# Altium PCB BLDC_DRIVER_1.1_one_side.PcbDoc (part 1 of 3) (continued)
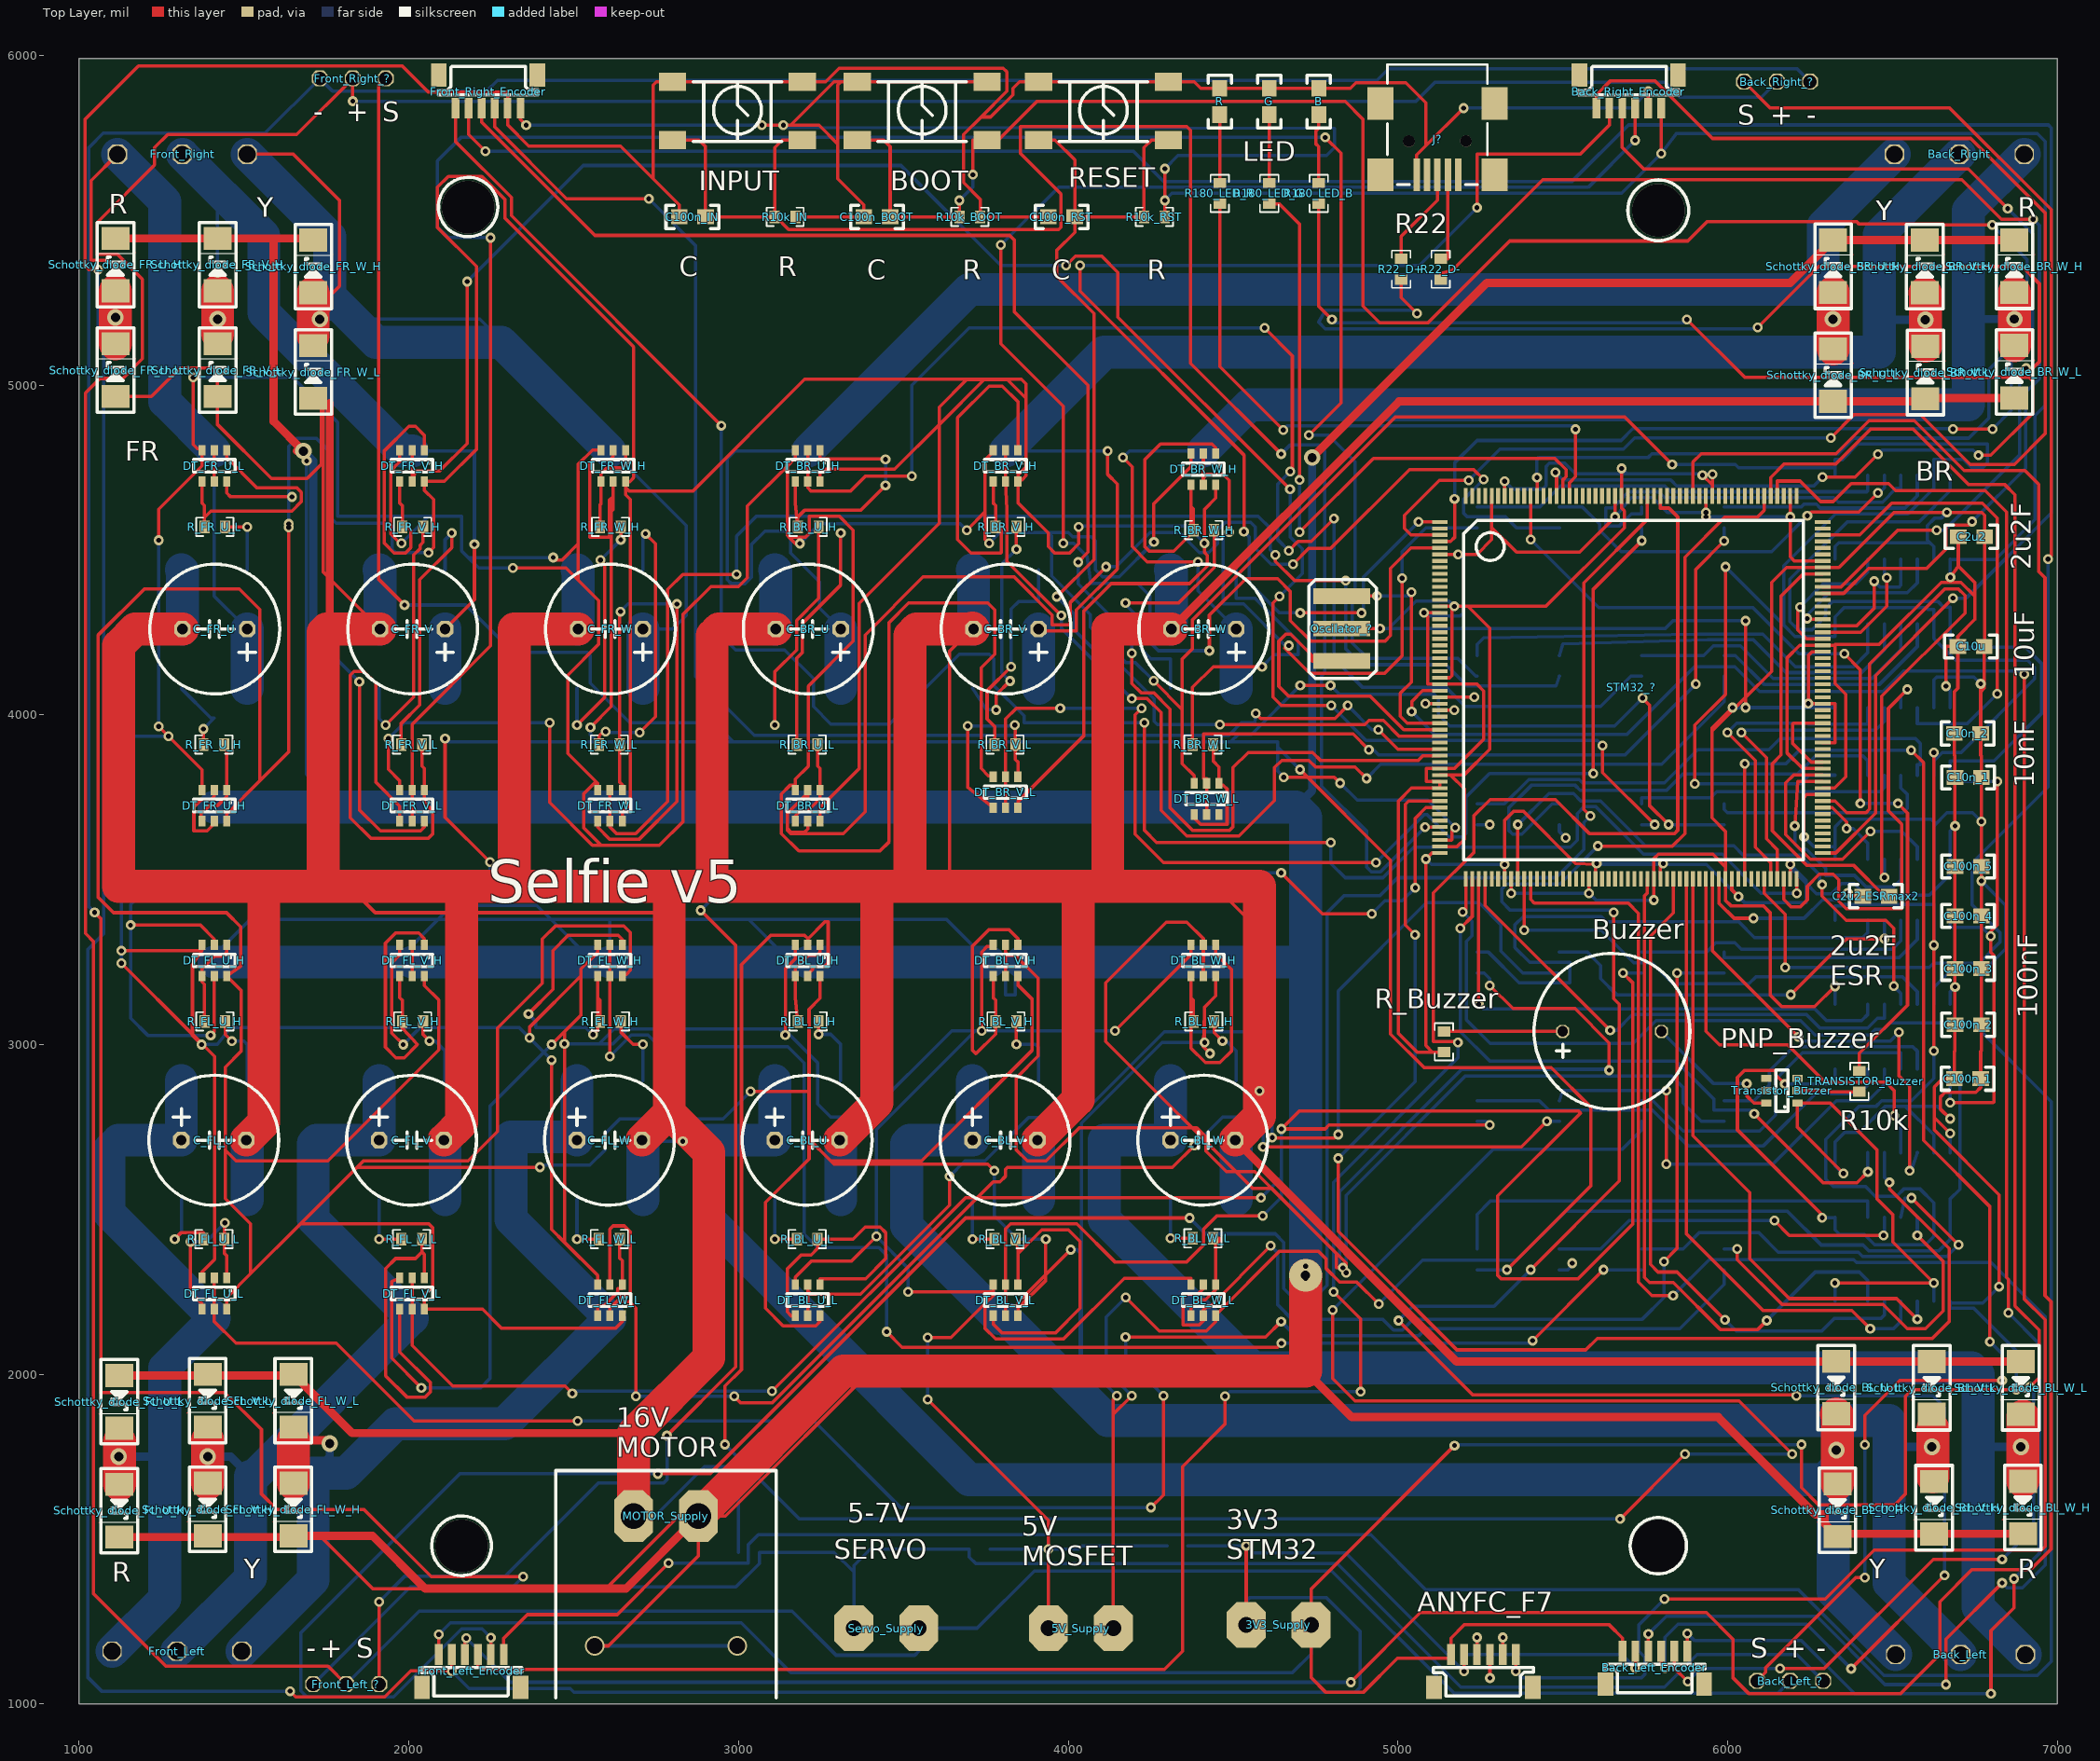
[diagram p0: Top Layer view]
## Footprints (in the part's own frame and the unit in brackets; to place one, negate y for a bottom-side part, rotate by r counter-clockwise, add the part's x,y. Pads: shape width x height; smd on the part's side, far side on the other; paste and mask are expansions set on the pad)
2-pin-zielony-prosty [mm]
  oct 3x3.5 hole 1.2: 1(0,0) 2(5,0)
  body extent -3.5,-4.7 8.5,3.8, height 12
5mm [mil]
  oct 50x50 hole 32: 1(0,0) 2(196.85,0)
  silkscreen extent -98,-197 295,197, body extent -98,-197 295,197, height 787
0603 [mil]
  rect 50x45 smd: 1(0,0) 2(80,0)
  silkscreen extent -40,-35 120,35, body extent 9,-17 72,17, height 33
65100516121 [mm] "Mini USB 2.0 Type B SMT Horizontal 5 Contacts"
  rect 0.5x2.5 smd: 1(-1.6,3.875) 2(-0.8,3.875) 3(0,3.875) 4(0.8,3.875) 5(1.6,3.875)
  round 0.9 hole 0.9 unplated: MH1(-2.2,1.275) MH2(2.2,1.275)
  rect 2x2.5 smd: Shell(-4.4,3.875) Shell(-4.4,-1.625) Shell(4.4,3.875) Shell(4.4,-1.625)
  silkscreen extent -3.85,-4.62 3.85,4.62, body extent -4.8,-4.62 4.8,4.63, height 3.92
Buzzer_LOUDITY [mm]
  oct 1x1 hole 0.8: 1(-7.6,0) 2(0,0)
  silkscreen extent -9.8,-6 2.2,6, body extent -9.8,-6 5.65,6, height 9.65
CSTCC8M00G53-R0 [mm]
  rect 1.2x4.4 smd: 1(0,0) 2(2.5,0) 3(5,0)
  silkscreen extent -1.27,-2.54 6.35,2.67, body extent -1.06,-1.52 6.14,1.48, height 1.25
DG300-5.0-03P-12-00A [mm]
  oct 1.5x1.5 hole 1.3: 1(0,0) 2(5,0) 3(10,0)
  body extent -2.5,-4 12.5,5, height 12.6
DG300R-5.0-03P-12-00A(H) [mm]
  oct 1.5x1.5 hole 1.3: 1(0,0) 2(5,0) 3(10,0)
  body extent -2.5,-7.3 13.1,2.7, height 7.6
DO-214AC [mm]
  rect 1.78x2.16 smd: 1(-4.05,0) 2(0,0)
  Top Layer lines w0.051: -1.092,-1.575 -1.143,-1.524
  silkscreen extent -5.28,-1.52 1.22,1.4, body extent -4.55,-1.43 0.45,1.27, height 2.33
"JST SR SH 1.0 TOP" [mm]
  rect 0.6x1.6 smd: 1(1.3,2.55) 2(2.3,2.55) 3(3.3,2.55) 4(4.3,2.55) 5(5.3,2.55) 6(6.3,2.55)
  rect 1.2x1.8 smd: 7(7.6,0) 8(0,0)
  silkscreen extent -0.05,-0.66 7.67,1.52, body extent -0.19,-0.74 7.81,2.86, height 4.25
LQFP208 [mm]
  rect 1.2x0.3 smd: 1(-1.85,-1.4) 2(-1.85,-1.9) 3(-1.85,-2.4) 4(-1.85,-2.9) 5(-1.85,-3.4) 6(-1.85,-3.9) 7(-1.85,-4.4) 8(-1.85,-4.9) 9(-1.85,-5.4) 10(-1.85,-5.9) 11(-1.85,-6.4) 12(-1.85,-6.9) 13(-1.85,-7.4) 14(-1.85,-7.9) 15(-1.85,-8.4) 16(-1.85,-8.9) 17(-1.85,-9.4) 18(-1.85,-9.9) 19(-1.85,-10.4) 20(-1.85,-10.9) 21(-1.85,-11.4) 22(-1.85,-11.9) 23(-1.85,-12.4) 24(-1.85,-12.9) 25(-1.85,-13.4) 26(-1.85,-13.9) 27(-1.85,-14.4) 28(-1.85,-14.9) 29(-1.85,-15.4) 30(-1.85,-15.9) 31(-1.85,-16.4) 32(-1.85,-16.9) 33(-1.85,-17.4) 34(-1.85,-17.9) 35(-1.85,-18.4) 36(-1.85,-18.9) 37(-1.85,-19.4) 38(-1.85,-19.9) 39(-1.85,-20.4) 40(-1.85,-20.9) 41(-1.85,-21.4) 42(-1.85,-21.9) 43(-1.85,-22.4) 44(-1.85,-22.9) 45(-1.85,-23.4) 46(-1.85,-23.9) 47(-1.85,-24.4) 48(-1.85,-24.9) 49(-1.85,-25.4) 50(-1.85,-25.9) 51(-1.85,-26.4) 52(-1.85,-26.9) 105(27.65,-26.9) 106(27.65,-26.4) 107(27.65,-25.9) 108(27.65,-25.4) 109(27.65,-24.9) 110(27.65,-24.4) 111(27.65,-23.9) 112(27.65,-23.4) 113(27.65,-22.9) 114(27.65,-22.4) 115(27.65,-21.9) 116(27.65,-21.4) 117(27.65,-20.9) 118(27.65,-20.4) 119(27.65,-19.9) 120(27.65,-19.4) 121(27.65,-18.9) 122(27.65,-18.4) 123(27.65,-17.9) 124(27.65,-17.4) 125(27.65,-16.9) 126(27.65,-16.4) 127(27.65,-15.9) 128(27.65,-15.4) 129(27.65,-14.9) 130(27.65,-14.4) 131(27.65,-13.9) 132(27.65,-13.4) 133(27.65,-12.9) 134(27.65,-12.4) 135(27.65,-11.9) 136(27.65,-11.4) 137(27.65,-10.9) 138(27.65,-10.4) 139(27.65,-9.9) 140(27.65,-9.4) 141(27.65,-8.9) 142(27.65,-8.4) 143(27.65,-7.9) 144(27.65,-7.4) 145(27.65,-6.9) 146(27.65,-6.4) 147(27.65,-5.9) 148(27.65,-5.4) 149(27.65,-4.9) 150(27.65,-4.4) 151(27.65,-3.9) 152(27.65,-3.4) 153(27.65,-2.9) 154(27.65,-2.4) 155(27.65,-1.9) 156(27.65,-1.4)
  rect 0.3x1.2 smd: 53(0.15,-28.9) 54(0.65,-28.9) 55(1.15,-28.9) 56(1.65,-28.9) 57(2.15,-28.9) 58(2.65,-28.9) 59(3.15,-28.9) 60(3.65,-28.9) 61(4.15,-28.9) 62(4.65,-28.9) 63(5.15,-28.9) 64(5.65,-28.9) 65(6.15,-28.9) 66(6.65,-28.9) 67(7.15,-28.9) 68(7.65,-28.9) 69(8.15,-28.9) 70(8.65,-28.9) 71(9.15,-28.9) 72(9.65,-28.9) 73(10.15,-28.9) 74(10.65,-28.9) 75(11.15,-28.9) 76(11.65,-28.9) 77(12.15,-28.9) 78(12.65,-28.9) 79(13.15,-28.9) 80(13.65,-28.9) 81(14.15,-28.9) 82(14.65,-28.9) 83(15.15,-28.9) 84(15.65,-28.9) 85(16.15,-28.9) 86(16.65,-28.9) 87(17.15,-28.9) 88(17.65,-28.9) 89(18.15,-28.9) 90(18.65,-28.9) 91(19.15,-28.9) 92(19.65,-28.9) 93(20.15,-28.9) 94(20.65,-28.9) 95(21.15,-28.9) 96(21.65,-28.9) 97(22.15,-28.9) 98(22.65,-28.9) 99(23.15,-28.9) 100(23.65,-28.9) 101(24.15,-28.9) 102(24.65,-28.9) 103(25.15,-28.9) 104(25.65,-28.9) 157(25.65,0.6) 158(25.15,0.6) 159(24.65,0.6) 160(24.15,0.6) 161(23.65,0.6) 162(23.15,0.6) 163(22.65,0.6) 164(22.15,0.6) 165(21.65,0.6) 166(21.15,0.6) 167(20.65,0.6) 168(20.15,0.6) 169(19.65,0.6) 170(19.15,0.6) 171(18.65,0.6) 172(18.15,0.6) 173(17.65,0.6) 174(17.15,0.6) 175(16.65,0.6) 176(16.15,0.6) 177(15.65,0.6) 178(15.15,0.6) 179(14.65,0.6) 180(14.15,0.6) 181(13.65,0.6) 182(13.15,0.6) 183(12.65,0.6) 184(12.15,0.6) 185(11.65,0.6) 186(11.15,0.6) 187(10.65,0.6) 188(10.15,0.6) 189(9.65,0.6) 190(9.15,0.6) 191(8.65,0.6) 192(8.15,0.6) 193(7.65,0.6) 194(7.15,0.6) 195(6.65,0.6) 196(6.15,0.6) 197(5.65,0.6) 198(5.15,0.6) 199(4.65,0.6) 200(4.15,0.6) 201(3.65,0.6) 202(3.15,0.6) 203(2.65,0.6) 204(2.15,0.6) 205(1.65,0.6) 206(1.15,0.6) 207(0.65,0.6) 208(0.15,0.6)
  silkscreen extent 0,-27.43 26.16,-1.27, body extent -1.84,-28.92 27.66,0.58, height 1.39
"LSH Gullwing" [mm]
  rect 2.1x1.4 smd: 1(-10,4.5) 2(0,4.5) 3(-10,0) 4(0,0)
  silkscreen extent -8.4,0 -1.6,4.6, body extent -10,-0.75 0,5.25, height 4.97
R0603 [mil]
  rect 31x38 smd: 1(0,0) 2(63,0)
  silkscreen extent -25,-28 88,28, body extent -1,-17 62,17, height 19
Raster_2.54_3pin [mm]
  oct 1.22x1.22 hole 1.05: 1(0,0) 2(2.54,0) 3(5.08,0)
  body extent -1.27,-1.27 6.35,1.27, height 8.57
SOIC-16 [mm]
  rect 0.72x1.78 smd: 1(0.11,-0.46) 2(1.38,-0.46) 3(2.65,-0.46) 4(3.92,-0.46) 5(5.19,-0.46) 6(6.46,-0.46) 7(7.73,-0.46) 8(9,-0.46) 9(9,6) 10(7.73,6) 11(6.46,6) 12(5.19,6) 13(3.92,6) 14(2.65,6) 15(1.38,6) 16(0.11,6)
  silkscreen extent -0.53,0.79 9.63,4.73, body extent -0.5,-0.3 9.7,5.7, height 1.7
SOT457 [mm]
  rect 0.55x0.8 smd: 1(-0.95,-2.85) 2(0,-2.85) 3(0.95,-2.85) 4(0.95,-0.45) 5(0,-0.45) 6(-0.95,-0.45)
  silkscreen extent -1.6,-2.13 1.6,-1.18, body extent -1.45,-3.05 1.45,-0.25, height 1.23
TO-263 [mm]
  rect 10.8x9.4 smd: D(-2.54,9.15)
  rect 1.35x4.6 smd: G(-5.08,0) S(0,0)
  silkscreen extent -8.89,-3.05 3.81,14.48, body extent -7.54,-1.94 2.46,13.73, height 4.83
XT30-katowy-in [mm]
  oct 3x4 hole 2: 1(2.5,0) 2(-2.5,0)
  silkscreen extent -8.5,-3.5 8.5,14, body extent -6.65,-0.91 6.65,14.1, height 5.2

## Part data
J?: "Mini USB 2.0 Type B Receptacle WR-COM, Horizontal, SMT, with Pads and Pegs"

## Via types
v1: diameter 30, hole 15, Top Layer to Bottom Layer, 425 vias
v2: diameter 50, hole 28, Top Layer to Bottom Layer, 14 vias
v3: diameter 160, hole 160, Top Layer to Bottom Layer, 4 vias
v4: diameter 59.06, hole 47.24, Top Layer to Bottom Layer, 2 vias
v5: diameter 100, hole 28, Top Layer to Bottom Layer, 1 vias

## Nets (pads, with @x,y where several pads share a name; then routed paths per layer and width w, separated by ;. In a path a pad name is that pad's centre, name@x,y a point inside that pad or via, vN(x,y) a via of type N, cw(c..) or ccw(c..) an arc to the next point about the centre after c; other vN are vias at no path point)
3V3: 3V3_Supply.2 ANYFC_F7.1 Back_Left_Encoder.1 Back_Right_Encoder.1 BOOT.3 BOOT.4 C2u2.2 C10n_1.2 C10n_2.2 C10u.2 C100n_1.2 C100n_2.2 C100n_3.2 C100n_4.2 C100n_5.2 C100n_BOOT.2 Front_Left_Encoder.1 Front_Right_Encoder.1 R10k_IN.2 R10k_RST.2 R_Buzzer.2 STM32_?.6 STM32_?.15 STM32_?.26 STM32_?.39 STM32_?.41 STM32_?.42 STM32_?.52 STM32_?.59 STM32_?.73 STM32_?.83 STM32_?.94 STM32_?.103 STM32_?.115 STM32_?.118 STM32_?.137 STM32_?.150 STM32_?.158 STM32_?.171 STM32_?.185 STM32_?.204 TO1.1 TO2.1 TO3.1 TO4.1 TO5.1 TO6.1 | length 28768.4
  Top Layer w10: Front_Left_Encoder.1@2091.18,1150.39 v1(2091.18,1210.55) ; Front_Right_Encoder.1@2338.82,5839.61 2338.82,5805.12 v1(2355.94,5788) ; v1(3071,5788) v1(3136,5788) 3158,5788 ; R10k_IN.2@3173,5510 C100n_BOOT.2@3380,5510 3380,5547 3301,5626 3301,5731 ; BOOT.3@3753.7,5920 BOOT.4@3360,5920 3311,5920 ; R10k_RST.2@4293,5510 v1(4293,5560) v1(4293,5656) ; STM32_?.52@5127.17,3580.94 5103.17,3580.94 v1(5084.75,3562.52) 5084.75,2997.25 5105,2977 ; STM32_?.15@5127.17,4309.29 v1(5079.13,4309.29) 5090,4298.43 5090,4092.76 STM32_?.26@5127.17,4092.76 5240,4092.76 5260.37,4072.39 5260.37,3926 5171.22,3836.85 STM32_?.39@5127.17,3836.85 5087.01,3836.85 5087.01,3797.48 STM32_?.41@5127.17,3797.48 STM32_?.42@5127.17,3777.8 5041.43,3777.8 5001,3737.37 5001,3035 5059,2977 5105,2977 ; STM32_?.6@5127.17,4486.46 v1(5183,4486.46) 5240,4486.46 5284.65,4531.1 5284.65,4568.35 ; R_Buzzer.2@5140,2977 5105,2977 ; v1(5172,1784) 4736.85,1348.85 3V3_Supply.2@4736.85,1240 4736.85,1080 4781.85,1035 4895,1035 4999,1139 5161.18,1139 ANYFC_F7.1@5161.18,1150.39 5161.18,1200 5201.18,1240 5641.18,1240 5681.18,1200 Back_Left_Encoder.1@5681.18,1160.39 ; STM32_?.204@5284.65,4663.62 5284.65,4568.35 ; STM32_?.59@5324.02,3502.2 v1(5324.02,3545.83) 5324.02,3680 5352.02,3708 5380,3708 5539,3549 v1@5599.61,3545.61 ; STM32_?.73@5599.61,3502.2 v1@5599.61,3545.61 ; v1(5603,3549) v1@5599.61,3545.61 ; v1@5606,3546 5603.2,3545.83 v1@5599.61,3545.61 ; STM32_?.185@5658.66,4663.62 v1(5658.66,4600) 5551.66,4493 5360,4493 5284.65,4568.35 ; STM32_?.83@5796.46,3502.2 5796.46,3540.46 v1(5805,3549) ; v1(5798.82,5702) Back_Right_Encoder.1@5798.82,5839.61 ; v1(5934.25,4600.16) v1(5934.25,4613.5) STM32_?.171@5934.25,4663.62 ; STM32_?.94@6012.99,3502.2 6012.99,3469.04 v1(6032.99,3449.04) ; v1(6190,3546) 6190.16,3545.84 STM32_?.103@6190.16,3502.2 ; STM32_?.158@6190.16,4663.62 v1(6190.16,4600.16) 6190.16,4478.93 6202.31,4466.77 STM32_?.150@6288.58,4466.77 ; v1(6224,1786.93) 6224,1656 6276,1604 6507,1604 6540,1637 6540,1933 6560,1953 v1(6876,1953) ; STM32_?.115@6288.58,3777.8 6325,3777.8 6359,3811.8 6359,4062 6326,4095 6326,4213 ; STM32_?.118@6288.58,3836.85 6228.15,3836.85 6180,3885 6180,4171.87 6219,4210.87 STM32_?.137@6288.58,4210.87 6323.87,4210.87 6326,4213 ; v1(6663,4087) 6663,4207.22 C10u.2@6698.58,4207.22 ; v1(6675.67,2730.27) 6626.85,2779.09 ; v1(6676,4417) 6700,4450.8 ; C2u2.2@6700,4540 6700,4450.8 ; v1(6824,2266) 6824,2543.94 6626.85,2741.08 6626.85,2779.09 ; 3158,5788 3244,5788 3301,5731 ; 3158,5788 3290,5920 3311,5920 ; 3301,5731 3301,5910 3311,5920 ; 6326,4213 6459,4213 6648,4402 6708,4402 6750,4360 6750,4289.38 ; 6626.85,2779.09 6626.85,2871.2 6652,2896.35 C100n_1.2@6687.95,2896.35 6687.95,2979 6690,2981.05 C100n_2.2@6690,3060 v1(6690,3175) C100n_3.2@6690,3230 C100n_4.2@6690,3390 C100n_5.2@6690,3540 v1(6690,3662.75) C10n_1.2@6690,3810 6690,3875 6687.95,3877.05 C10n_2.2@6687.95,3943.51 6687.95,4070 6698.58,4080.63 C10u.2@6698.58,4207.22 ; C10u.2@6698.58,4207.22 6698.58,4237.96 6750,4289.38 ; 6700,4450.8 6750.8,4400 6750.8,4290.19 6750,4289.38
  Bottom Layer w10: v1(2091.18,1210.55) 2126.63,1246 3008,1246 3159,1095 4680,1095 4736.85,1151.85 3V3_Supply.2@4736.85,1240 ; v1(2355.94,5788) v1(3071,5788) ; v1(3136,5788) 3143,5781 4808,5779 4808,5720 4784,5696 4333,5696 v1(4293,5656) ; v1(4293,5560) 4314.75,5581.75 5678.57,5581.75 v1(5798.82,5702) 5844.82,5763 6940,5763 6964,5739 6964,4939 6933,4908 6933,4592 6812,4471 TO6.1@6675.67,4471 ; v1(5079.13,4309.29) 5088.43,4300 5189,4300 5199,4310 5199,4470.46 v1(5183,4486.46) ; v1(5084.75,3562.52) 5101.45,3545.83 v1(5324.02,3545.83) ; v1(5172,1784) 5174.93,1786.93 v1(6224,1786.93) ; v1(5603,3549) v1(5805,3549) ; v1@5606,3546 5936.03,3546 v1(6032.99,3449.04) 6051.03,3431 6238,3431 6238,3489 ; v1(5658.66,4600) 5708,4658.5 5773,4658.5 5818,4613.5 v1(5934.25,4613.5) ; v1(5934.25,4600.16) v1(6190.16,4600.16) ; v1(6663,4087) 6675.67,4074.33 TO5.1@6675.67,4021.89 ; TO1.1@6675.67,2221.89 TO1.1@6675.67,2216 ; TO2.1@6675.67,2671.89 v1(6675.67,2730.27) ; TO3.1@6675.67,3121.89 6675.67,3160.67 v1(6690,3175) ; TO6.1@6675.67,4471.89 TO6.1@6675.67,4471 ; v1(6676,4417) 6675.67,4417.33 TO6.1@6675.67,4471 ; v1(6690,3662.75) 6675.67,3648.42 TO4.1@6675.67,3561.89 6675.67,3516 6612.21,3452.54 6420,3452.54 6384.54,3488 6346,3488 6315,3457 6270,3457 6238,3489 ; v1(6824,2266) 6774,2216 TO1.1@6675.67,2216 ; v1(6876,1953) 6876,2071 6746,2201 6675.67,2201 TO1.1@6675.67,2216 ; 6238,3489 6238,3498 v1(6190,3546) 6190,3537 6238,3489
GND_3V3: 3V3_Supply.1 ANYFC_F7.2 B.2 Back_Left_Encoder.2 Back_Right_Encoder.2 C2u2.1 C10n_1.1 C10n_2.1 C10u.1 C100n_1.1 C100n_2.1 C100n_3.1 C100n_4.1 C100n_5.1 C100n_IN.2 C100n_RST.2 Front_Left_Encoder.2 Front_Right_Encoder.2 G.2 INPUT.3 INPUT.4 J?.5 Oscilator_?.2 R10k_BOOT.2 R.2 R_GND_5V_3V3.2 RESET.3 RESET.4 STM32_?.14 STM32_?.25 STM32_?.40 STM32_?.51 STM32_?.60 STM32_?.72 STM32_?.82 STM32_?.93 STM32_?.114 STM32_?.122 STM32_?.128 STM32_?.136 STM32_?.149 STM32_?.170 STM32_?.184 STM32_?.202 TO1.2 TO1.8 TO2.2 TO2.8 TO3.2 TO3.8 TO4.2 TO4.8 TO5.2 TO5.8 TO6.2 TO6.8 Transistor_Buzzer.1 | length 33496.6
  Top Layer w10: v1(1058,5350) 1029,5350 1018,5361 1018,5806 1180,5968 1980,5968 2059,5889 2299.45,5889 Front_Right_Encoder.2@2299.45,5839.61 2299.45,5789.51 2363.95,5725 2642,5725 2741,5626 ; v1(1640,1039) 1657,1022 1927,1022 2006,1101 2120,1101 v1@2130.55,1111.55 ; v1(2130.55,1099) v1@2130.55,1111.55 ; Front_Left_Encoder.2@2130.55,1150.39 v1@2130.55,1111.55 ; C100n_IN.2@2820,5510 2820,5547 2741,5626 ; C100n_RST.2@3940,5510 R10k_BOOT.2@3733,5510 3733,5564 3683,5614 3683,5760 3736,5813 ; 3V3_Supply.1@4540,1240 v1(4540,1480) ; Oscilator_?.2@4830,4261.57 v1(4945.57,4261.57) ; J?.5@5057.01,5637.44 5057.01,5697.97 5085.01,5725.97 ; STM32_?.51@5127.17,3600.63 5179.63,3600.63 5202,3623 5202,3775.17 5160,3817.17 ; STM32_?.40@5127.17,3817.17 5160,3817.17 ; STM32_?.25@5127.17,4112.44 5157.56,4112.44 5164,4118.88 v1@5164,4328.98 ; STM32_?.14@5127.17,4328.98 v1@5164,4328.98 ; v1(5199.04,5840) 5085.01,5725.97 ; ANYFC_F7.2@5200.55,1150.39 5200.55,1099.45 v1(5201,1099) ; STM32_?.202@5324.02,4663.62 v1(5324.02,4708) ; v1(5343.7,3459) STM32_?.60@5343.7,3502.2 ; v1(5579.92,3459) STM32_?.72@5579.92,3502.2 ; v1(5678.35,4747) STM32_?.184@5678.35,4663.62 5678.35,4627 5687,4618.35 5687,4567 5448.98,4328.98 5212.02,4328.98 ; v1(5720.55,1108.9) Back_Left_Encoder.2@5720.55,1160.39 ; v1(5759,5891) 5759.45,5890.55 Back_Right_Encoder.2@5759.45,5839.61 ; v1(5776.77,3438) STM32_?.82@5776.77,3502.2 5776.77,3563.77 5790,3577 5955.31,3577 5993.31,3539 ; v1(5924,4727) 5953.94,4697.06 ; STM32_?.170@5953.94,4663.62 5953.94,4697.06 ; v1(5953.94,4729.56) 5953.94,4697.06 ; v1(6015,4022) 5953,3960 5953,3951 ; v1(6055,4022) 6055,4053 ; v1(6055,4285) 6055,4053 ; v1(6232,3630) 6232,3750.11 6240,3758.11 STM32_?.114@6288.58,3758.11 ; v1(6245,4034) 6245.3,4033.7 6260,4033.7 ; STM32_?.122@6288.58,3915.59 6326,3915.59 6326,4033.7 STM32_?.128@6288.58,4033.7 6260,4033.7 ; STM32_?.136@6288.58,4191.18 6256.14,4191.18 6244.96,4180 6244.96,4048.74 6260,4033.7 ; v1(6325.67,2276.93) v1(6625.67,2276.93) 6501,2401.6 6501,2484 6454,2531 6454,2680 6311.4,2822.6 Transistor_Buzzer.1@6212.2,2822.6 6212.2,2748.8 v1(6352,2609) ; v1(6326,3176.67) 6264.33,3115 6164.46,3115 6129,3150.46 6129,3400 6107.96,3421.04 6010,3421.04 5993.31,3437.73 STM32_?.93@5993.31,3502.2 5993.31,3539 ; v1(6675,2775) 6645,2805 6645,2840 6660,2855 6752.95,2855 6767.95,2870 C100n_1.1@6767.95,2896.35 6767.95,2979 6770,2981.05 C100n_2.1@6770,3060 C100n_3.1@6770,3230 C100n_4.1@6770,3390 v1(6770,3496) C100n_5.1@6770,3540 6770,3675 v1(6770,3676) C10n_1.1@6770,3810 6770,3875 6767.95,3877.05 C10n_2.1@6767.95,3943.51 6767.95,4070 ; v1(6767.95,4094) 6767.95,4070 ; 2741,5626 2741,5910 2751,5920 INPUT.4@2800,5920 INPUT.3@3193.7,5920 3264,5920 3305,5961 3803,5961 3814,5950 3814,5891 3736,5813 ; 3736,5813 3765,5813 3832,5880 3832,5900 3852,5920 RESET.4@3910,5920 RESET.3@4303.7,5920 4382,5920 4402,5900 R.2@4460,5900 G.2@4610,5900 B.2@4760,5900 4856,5900 4873,5917 5024,5917 5085.01,5855.99 5085.01,5725.97 ; 5160,3817.17 5200,3817.17 5278.37,3895.53 5278.37,4262.63 5212.02,4328.98 ; v1@5164,4328.98 v1(5170.79,4328.98) 5212.02,4328.98 ; 5953,3951 6055,4053 ; 5953,3951 5953,3687.31 5993.31,3647 5993.31,3539 ; 6055,4053 6134,4132 6134,4402 6179.09,4447.09 STM32_?.149@6288.58,4447.09 6338.09,4447.09 6505,4614 v1(6665.67,4614) 6771.17,4614 6780,4605.17 C2u2.1@6780,4540 6780,4207.22 C10u.1@6778.58,4207.22 6778.58,4080.63 6767.95,4070
  Bottom Layer w10: v1(1058,5350) 1058,5181 1075,5164 1075,3337 1027,3289 1027,1080 1068,1039 v1(1640,1039) ; v1(2130.55,1099) 2182.55,1047 2490,1047 2501,1036 4871,1036 4885,1050 4885,1221 4784,1322 4550,1322 4540,1312 3V3_Supply.1@4540,1240 ; R_GND_5V_3V3.2@4363,1480 v1(4540,1480) 4562,1458 4842,1458 v1(5201,1099) 5201,1150 5679.45,1150 v1(5720.55,1108.9) ; v1(5170.79,4328.98) 5154.89,4344.88 5055.06,4344.88 4972.19,4262 ; v1(5199.04,5840) 5708,5840 v1(5759,5891) ; v1(5324.02,4708) 5347.02,4685 5440,4685 5450,4695 5450,4753 5460,4763 5506,4763 5538.5,4730.5 5694.85,4730.5 ; v1(5343.7,3459) v1(5579.92,3459) 5600.92,3438 v1(5776.77,3438) ; v1(5678.35,4747) 5694.85,4730.5 ; v1(5924,4727) v1@5920.5,4730.5 ; v1(5953.94,4729.56) 5953,4730.5 v1@5920.5,4730.5 ; v1(6015,4022) v1(6055,4022) 6245,4022 TO5.8@6325.67,4022 ; v1(6055,4285) 5834,4285 5811,4262 4972.19,4262 ; v1(6232,3630) 6262,3600 6325.67,3600 ; v1(6245,4034) 6325.67,4034 TO5.8@6325.67,4022 ; TO1.8@6325.67,2221.89 v1(6325.67,2276.93) ; TO3.8@6325.67,3121.89 6325.67,3176.34 v1(6326,3176.67) ; TO4.8@6325.67,3561.89 6325.67,3600 ; TO5.8@6325.67,4021.89 TO5.8@6325.67,4022 ; TO6.8@6325.67,4471.89 6325.67,4510 6337.67,4522 6613.67,4522 ; v1(6352,2609) 6349.03,2609 6325.67,2632.36 TO2.8@6325.67,2671.89 6325.67,2704.55 6354.98,2733.86 6399.86,2733.86 6478,2812 6540,2812 ; TO1.2@6625.67,2221.89 v1(6625.67,2276.93) ; TO2.2@6625.67,2671.89 6625.67,2726.33 6540,2812 ; TO3.2@6625.67,3121.89 6625.67,3172.67 6680,3227 6781,3227 6844,3290 6844,3422 v1(6770,3496) ; TO4.2@6625.67,3561.89 6625.67,3663 ; TO5.2@6625.67,4021.89 6625.67,4105.67 6635,4115 6746.95,4115 v1(6767.95,4094) ; TO6.2@6625.67,4471.89 6625.67,4510 6613.67,4522 ; v1(6665.67,4614) 6647.67,4596 6627.76,4596 6606,4574.24 6606,4529.67 6613.67,4522 ; v1(6675,2775) 6638,2812 6540,2812 ; v1(6770,3676) 6743,3703 6665.67,3703 6625.67,3663 ; 4972.19,4262 4946,4262 v1(4945.57,4261.57) 4971.76,4261.57 4972.19,4262 ; 5694.85,4730.5 v1@5920.5,4730.5 ; 6325.67,3600 6325.67,3660 6348.67,3683 6617.67,3683 6625.67,3675 6625.67,3663
GND_5V: 5V_Supply.1 DT_BL_U_H.3 DT_BL_U_L.3 DT_BL_V_H.3 DT_BL_V_L.3 DT_BL_W_H.3 DT_BL_W_L.3 DT_BR_U_H.3 DT_BR_U_L.3 DT_BR_V_H.3 DT_BR_V_L.3 DT_BR_W_H.3 DT_BR_W_L.3 DT_FL_U_H.3 DT_FL_U_L.3 DT_FL_V_H.3 DT_FL_V_L.3 DT_FL_W_H.3 DT_FL_W_L.3 DT_FR_U_H.3 DT_FR_U_L.3 DT_FR_V_H.3 DT_FR_V_L.3 DT_FR_W_H.3 DT_FR_W_L.3 R_GND_5V_3V3.1 R_GND_SERV_5V.2 TO1.9 TO1.15 TO2.9 TO2.15 TO3.9 TO3.15 TO4.9 TO4.15 TO5.9 TO5.15 TO6.9 TO6.15 | length 40092
  Top Layer w10: v1(1128,3247) 1343.8,3031.2 ; v1(1128,3284.2) 1372.6,3284.2 ; v1(1241,3965) v1(1271,3935) 1372.6,3833.4 DT_FR_U_H.3@1372.6,3772.2 ; v1(1241,4529.4) 1241,4623.4 1372.6,4755 DT_FR_U_L.3@1372.6,4802.2 1372.6,4807 1359,4807 1346,4820 v1(1346,5023) ; v1(1371,3000) 1343.8,3027.2 1343.8,3031.2 ; DT_FL_U_L.3@1372.6,2292.2 1372.6,2310 1411,2348.4 1411,2964 1343.8,3031.2 ; DT_FL_U_H.3@1372.6,3302.2 1372.6,3284.2 ; v1(1938,3928) 1938,3834.6 1972.6,3800 DT_FR_V_L.3@1972.6,3772.2 ; DT_FL_V_L.3@1972.6,2292.2 1948,2281 1948,2049 v1(2038,1959) ; DT_FL_V_H.3@1972.6,3302.2 1972.6,3271.6 1948,3247 1948,3035 v1(1983,3000) ; DT_FR_V_H.3@1972.6,4802.2 1972.6,4767.6 1945,4740 1945,4549 1974,4520 v1(1978,4520) ; v1(2316,4445) 2477.15,4445 2514,4408.15 ; v1(2366,3020) 2366,3052.4 2522,3208.4 ; v1(2427,3976) 2427,3733.79 2556.79,3604 2583.57,3604 ; v1(2433,2953) 2433,2439.6 2472,2400.6 ; v1(2433,3000) 2472,3039 ; v1(2438,4477) 2445,4470 2465,4470 2514,4519 ; DT_FL_W_L.3@2572.6,2272.2 2572.6,2300 2472,2400.6 ; DT_FL_W_H.3@2572.6,3302.2 2572.6,3280 2522,3229.4 2522,3208.4 ; DT_FR_W_L.3@2572.6,3772.2 2572.6,3792.21 ; DT_FR_W_H.3@2582.6,4802.2 2582.6,4803 2557,4803 2514,4760 2514,4519 ; v1(3142,3029) 3142,3229.4 3172.6,3260 DT_BL_U_H.3@3172.6,3302.2 ; DT_BL_U_L.3@3172.6,2272.2 3172.6,2294.42 3222,2343.82 3343.82,2343.82 v1(3418,2418) ; DT_BR_U_L.3@3172.6,3772.2 DT_BR_U_L.3@3172.6,3786 ; DT_BR_U_H.3@3172.6,4802.2 3172.6,4779 3148,4754.4 ; v1(3186,4519.54) 3172.6,4519.54 3154.14,4538 ; v1(3514.6,2250) 3772.6,2250 ; v1(3574,1923) 3940,1557 v1(3940,1470) 5V_Supply.1@3940,1230 ; v1(3574,2111) 3644.6,2111 3748,2214.4 ; v1(3692.14,4560) 3748,4615.86 ; v1(3738,3042) 3738,3281 3754,3297 3772.6,3297 DT_BL_V_H.3@3772.6,3302.2 ; v1(3760,4520) 3748,4532 3748,4615.86 ; DT_BL_V_L.3@3772.6,2272.2 3772.6,2250 ; DT_BR_V_L.3@3772.6,3812.2 3772.6,3815 3758,3815 3736,3837 3736,4143 3777,4184 3777,4318 3756,4339 3516,4339 3457,4280 3457,3615 3429,3587 3183,3587 3130,3640 3130,3760 3156,3786 DT_BR_U_L.3@3172.6,3786 ; DT_BR_V_H.3@3772.6,4802.2 3772.6,4797 3748,4772.4 3748,4615.86 ; v1(4142,3042) 4372.6,3272.6 DT_BL_W_H.3@4372.6,3302.2 ; v1(4259,4103) 4346,4016 ; v1(4260,4524) 4260,4640.4 4372.6,4753 DT_BR_W_H.3@4372.6,4792.2 ; DT_BL_W_L.3@4372.6,2272.2 4372.6,2291 4170,2291 3986,2107 3780,2107 3748,2139 3748,2214.4 ; DT_BR_W_L.3@4382.6,3792.2 4382.6,3815.4 4346,3852 4346,4016 ; v1(5832,4759) 5687,4904 4993.21,4904 4377,4287.79 4377,4200 4346,4169 4346,4016 ; v1(5901,3791) 5901,3968.67 5994,4061.67 v1(5994,4449) ; v1(6174,2880) 6147,2907 6147,2922 6052,2922 6030,2900 6030,2741 6287,2484 v1(6287,2475) ; v1(6625.67,3301.33) v1(6625.67,3885.71) ; v1(6626,2981) v1(6626,3301) ; 1343.8,3031.2 1343.8,3242.8 1372.6,3284.2 ; 2472,2400.6 v1(2472,3002) 2472,3039 ; 2472,3039 2522,3089 2522,3208.4 ; 2514,4408.15 2576.15,4346 2576.15,4214.15 2482,4120 2482,3882.8 2572.6,3792.21 ; 2514,4408.15 2514,4519 ; 2572.6,3792.21 2562.21,3792.21 2530,3760 2530,3657.57 2583.57,3604 ; 2583.57,3604 2760,3604 2831,3675 2831,4304 2916,4389 3000,4389 3027,4416 3027,4633.4 3148,4754.4 ; 3148,4754.4 3148,4544.14 3154.14,4538 ; 3154.14,4538 3202.5,4538 3214.5,4550 3214.5,4602 3306,4602 3348,4560 3348,4223.32 3211.5,4086.82 3211.5,3843.9 3172.6,3805 DT_BR_U_L.3@3172.6,3786 ; 3748,2214.4 3772.6,2239 3772.6,2250
  Bottom Layer w10: v1(1128,3247) v1(1128,3284.2) 1128,3905 1158,3935 v1(1271,3935) ; v1(1241,3965) v1(1241,4529.4) ; v1(1346,5023) 1648.4,5023 1784.4,4887 1784.4,4602.19 2060.19,4602.19 ; v1(1371,3000) 1419,3000 1460,3052 2035,3052 ; v1(1938,3928) 1986,3976 v1(2427,3976) ; v1(1978,4520) 2060.19,4602.19 ; v1(1983,3000) 2035,3052 ; v1(2038,1959) 2218,1959 2247,1988 2247,2814 2409.5,2976.5 ; v1(2316,4445) 2212,4445 2180,4477 ; v1(2433,2953) 2409.5,2976.5 ; v1(2433,3000) 2409.5,2976.5 ; v1(2438,4477) 2180,4477 ; v1(2472,3002) 2577.21,3002 ; v1(3142,3029) 3124,3047 ; v1(3186,4519.54) 3246.46,4580 3672.14,4580 v1(3692.14,4560) ; v1(3514.6,2250) 3514.6,2321.4 v1(3418,2418) 3418,2741.55 3718.45,3042 ; v1(3574,1923) v1(3574,2111) ; v1(3760,4520) 3792.47,4552.47 3940,4552.47 ; R_GND_SERV_5V.2@3763,1470 v1(3940,1470) 4032,1470 4042,1480 R_GND_5V_3V3.1@4300,1480 ; v1(4142,3042) v1(3738,3042) 3718.45,3042 ; v1(4259,4103) 4203,4159 4174,4159 4067,4266 4067,4304 3950,4421 3950,4542.47 3940,4552.47 ; v1(4260,4524) 4154.76,4418.76 4104.38,4418.76 4083.13,4440 4083.13,4526.82 4070,4539.95 4013.11,4539.95 4000.59,4552.47 3940,4552.47 ; v1(5832,4759) 6024,4759 6034,4749 TO6.9@6325.67,4749 ; v1(5901,3791) 6221,3791 6247,3817 6325.67,3817 TO4.9@6325.67,3816.22 ; v1(5994,4449) 6171,4272 ; v1(6174,2880) 6310.67,2880 6325.67,2895 TO2.9@6325.67,2926.22 ; v1(6287,2475) TO1.9@6325.67,2475 ; TO1.9@6325.67,2476.22 TO1.9@6325.67,2475 ; TO3.9@6325.67,3376.22 6325.67,3421 6351,3421 6355,3425 6625.67,3425 TO3.15@6625.67,3376.22 v1(6625.67,3301.33) v1(6626,3301) ; TO6.9@6325.67,4726.22 TO6.9@6325.67,4749 ; TO4.15@6625.67,3816.22 6625.67,3860 ; v1(6625.67,3885.71) 6625.67,3860 ; v1(6626,2981) 6625.67,2980.67 TO2.15@6625.67,2926.22 6625.67,2897.67 6558,2830 6468,2830 6450,2812 6398.14,2812 6298,2711.86 6298,2592 6320,2570 6418,2570 6448,2540 6513,2540 6536,2563 6582.67,2563 6625.67,2520 TO1.15@6625.67,2476.22 6625.67,2418.67 6600,2393 6446,2393 6415,2424 6340,2424 6325.67,2438.33 TO1.9@6325.67,2475 ; 2035,3052 2334,3052 v1(2366,3020) 2409.5,2976.5 ; 2060.19,4602.19 2159.81,4602.19 ; 2159.81,4602.19 2160,4497 ; 2159.81,4602.19 2160,4602 2160,4497 ; 2160,4497 2180,4477 ; 2577.21,3002 2619,3002 2664,3047 ; 2577.21,3002 2622.21,3047 2664,3047 ; 2664,3047 3124,3047 ; 3124,3047 3137.61,3047 3240,2944.61 3240,2820 3280,2780 3385,2780 3647,3042 3718.45,3042 ; 6171,4272 6205,4238 6325.67,4238 TO5.9@6325.67,4276.22 6325.67,4297.09 6353.58,4325 6603,4325 6608,4320 6625.67,4320 TO5.15@6625.67,4276.22 6625.67,4231.33 6692,4165 6910,4165 6931.52,4143.48 6931.52,4108.52 6708.71,3885.71 6651.38,3885.71 6625.67,3860 ; 6171,4272 6171,4452 6328,4609 6547.29,4609 6625.67,4687.38 TO6.15@6625.67,4726.22 6625.67,4775 6715,4775 6740,4750 6774,4750 6789,4765 6789,4820 6788,4821 6395,4821 6348,4774 6325.67,4774 TO6.9@6325.67,4749
GND_MOTOR: C_BL_U.2 C_BL_V.2 C_BL_W.2 C_BR_U.2 C_BR_V.2 C_BR_W.2 C_FL_U.2 C_FL_V.2 C_FL_W.2 C_FR_U.2 C_FR_V.2 C_FR_W.2 MOSFET_BL_U_L.S MOSFET_BL_V_L.S MOSFET_BL_W_L.S MOSFET_BR_U_L.S MOSFET_BR_V_L.S MOSFET_BR_W_L.S MOSFET_FL_U_L.S MOSFET_FL_V_L.S MOSFET_FL_W_L.S MOSFET_FR_U_L.S MOSFET_FR_V_L.S MOSFET_FR_W_L.S MOTOR_Supply.1 R_GND_MOT_SERV.1 Schottky_diode_BL_U_L.1 Schottky_diode_BL_V_L.1 Schottky_diode_BL_W_L.1 Schottky_diode_BR_U_L.1 Schottky_diode_BR_V_L.1 Schottky_diode_BR_W_L.1 Schottky_diode_FL_U_L.1 Schottky_diode_FL_V_L.1 Schottky_diode_FL_W_L.1 Schottky_diode_FR_U_L.1 Schottky_diode_FR_V_L.1 Schottky_diode_FR_W_L.1 | length 34249.1
  Top Layer w10: Schottky_diode_FR_U_L.1@1110,4965.55 1219.32,4965.55 1305,5051.24 1400,5051.24 1420,5031.24 Schottky_diode_FR_V_L.1@1420,4965.55 1420,4880 1583,4717 1691.45,4717 1734.45,4760 1734.45,4945.55 1720,4960 Schottky_diode_FR_W_L.1@1710,4960 ; Schottky_diode_FL_V_L.1@1390,1999.45 Schottky_diode_FL_W_L.1@1650,1999.45 ; Schottky_diode_FR_W_L.1@1740,4940 1740,4433.15 1760,4413.15 ; 1760,4945.55 1760,4413.15 ; C_FR_V.2@1913.15,4260 1760,4413.15 ; v1(2831,2706.85) 2831,3360 2791,3400 1898,3400 1760,3538 1760,4270 1760,4413.15 ; C_BR_V.2@3710,4263.15 3640,4193.15 3640,3520 3680,3480 4030,3480 4120,3480 4446,3480 4580,3346 v1(4580,2859) ; Schottky_diode_BL_U_L.1@6330,2039.45 6474,2039.45 6475.14,2038.31 Schottky_diode_BL_V_L.1@6619.81,2038.31
  Top Layer w25: Schottky_diode_FL_U_L.1@1122.13,1996.02 1646.57,1996.02 Schottky_diode_FL_W_L.1@1650,1999.45 1827.88,1821.57 2681.57,1821.57 ; Schottky_diode_FR_W_L.1@1734.45,4945.55 Schottky_diode_FR_W_L.1@1740,4940 ; 1740,4250 1750,4260 1760,4270 1760,4945.55 ; C_BR_W.2@4313.15,4260 5003.7,4950.55 Schottky_diode_BR_U_L.1@6320,4950.55 6592.32,4950.55 Schottky_diode_BR_V_L.1@6600,4958.23 6602.32,4960.55 Schottky_diode_BR_W_L.1@6870,4960.55 ; C_BL_W.2@4506.85,2710 5178.54,2038.31 Schottky_diode_BL_V_L.1@6619.81,2038.31 Schottky_diode_BL_W_L.1@6889.81,2038.31
  Top Layer w100: C_FR_U.2@1313.15,4260 1170,4260 1120,4210 1120,3480 1560,3480 ; C_FL_U.2@1506.85,2710 1560,2763.15 1560,3480 ; 1740,4250 1740,3480 ; 1750,4260 C_FR_V.2@1913.15,4260 ; C_FL_V.2@2106.85,2710 2160,2763.15 2160,3480 ; C_FR_W.2@2513.15,4260 2320,4260 2320,3480 ; MOTOR_Supply.1@2681.57,1570 2681.57,1821.57 2910,2050 2910,2673.15 2790,2793.15 ; C_FL_W.2@2706.85,2710 2790,2793.15 ; C_BR_U.2@3113.15,4260 2940,4260 2920,4240 2920,3480 ; C_BL_U.2@3306.85,2710 3420,2823.15 3420,3480 ; C_BR_V.2@3710,4263.15 C_BR_V.2@3713.15,4260 3540,4260 3520,4240 3520,3480 ; C_BL_V.2@3906.85,2710 4030,2833.15 4030,3480 ; C_BR_W.2@4313.15,4260 4120,4260 4120,3480 ; C_BL_W.2@4506.85,2710 4580,2783.15 4580,3480 4120,3480 ; 1560,3480 1740,3480 ; 1740,3480 2160,3480 ; 2160,3480 2320,3480 ; 2320,3480 2790,3480 ; 2790,2793.15 2790,3480 ; 2790,3480 2920,3480 ; 2920,3480 3420,3480 ; 3420,3480 3520,3480 ; 3520,3480 4030,3480 ; 4030,3480 4120,3480
  Bottom Layer w10: MOTOR_Supply.1@2681.57,1570 2746.98,1570 2896.98,1720 2967.57,1720 3000,1687.57 R_GND_MOT_SERV.1@3000,1460 ; C_FL_W.2@2710,2706.85 v1(2831,2706.85) ; C_BL_W.2@4510,2706.85 4575,2771.85 4575,2854 v1(4580,2859)
  Bottom Layer w100: MOSFET_FR_U_L.S@1310,4440 1313.15,4436.85 C_FR_U.2@1313.15,4260 ; C_FL_U.2@1506.85,2710 1510,2706.85 MOSFET_FL_U_L.S@1510,2530 ; MOSFET_FR_V_L.S@1910,4440 1913.15,4436.85 C_FR_V.2@1913.15,4260 ; C_FL_V.2@2106.85,2710 2110,2706.85 MOSFET_FL_V_L.S@2110,2530 ; MOSFET_FR_W_L.S@2510,4440 2513.15,4436.85 C_FR_W.2@2513.15,4260 ; MOSFET_FL_W_L.S@2710,2530 C_FL_W.2@2710,2706.85 ; MOSFET_BR_U_L.S@3110,4440 3113.15,4436.85 C_BR_U.2@3113.15,4260 ; C_BL_U.2@3306.85,2710 3310,2706.85 MOSFET_BL_U_L.S@3310,2530 ; MOSFET_BR_V_L.S@3710,4440 3713.15,4436.85 C_BR_V.2@3713.15,4260 ; C_BL_V.2@3906.85,2710 3910,2706.85 MOSFET_BL_V_L.S@3910,2530 ; MOSFET_BR_W_L.S@4310,4440 4313.15,4436.85 C_BR_W.2@4313.15,4260 ; MOSFET_BL_W_L.S@4510,2530 C_BL_W.2@4510,2706.85